# Altium PCB DesignProject_V1_1.PcbDoc (part 2 of 2)
Units mm, origin at the board's own origin, x right, y up, seen from the top; angles counter-clockwise.
Board outline 86.3 x 50.27 mm, 4 copper layers (Top Layer, MID 1, MID 2, Bottom Layer), stack 0.651 mm thick; 110 components, 93 nets, 452 pads, 167 vias.
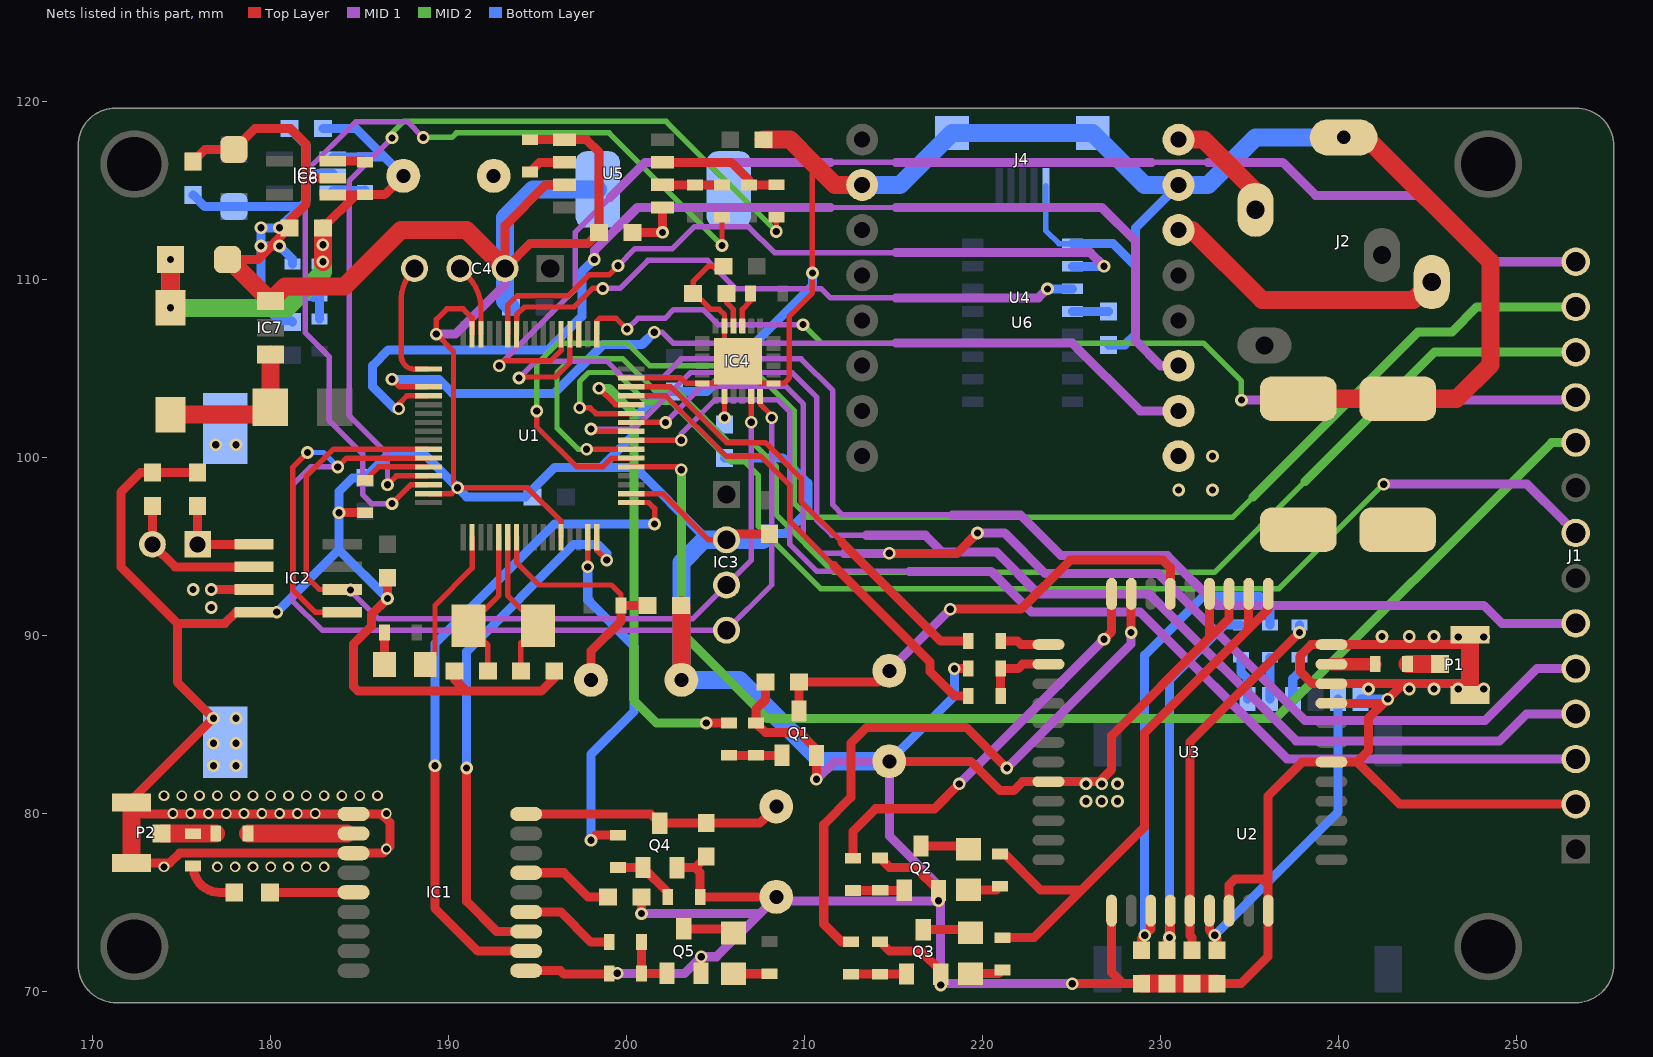
[diagram p4: the nets of this part, all layers, seen from the top]

## Via types
v1: diameter 0.711, hole 0.406, Top Layer to Bottom Layer, 133 vias
v2: diameter 0.6, hole 0.4, Top Layer to Bottom Layer, 32 vias
v3: diameter 1.3, hole 1.3, Top Layer to Bottom Layer, 1 vias
v4: diameter 1.5, hole 1.5, Top Layer to Bottom Layer, 1 vias

## Nets (pads, with @x,y where several pads share a name; then routed paths per layer and width w, separated by ;. In a path a pad name is that pad's centre, name@x,y a point inside that pad or via, vN(x,y) a via of type N, cw(c..) or ccw(c..) an arc to the next point about the centre after c; other vN are vias at no path point) (continued)
GND: BT1.2 C1.1 C2.1 C3.1 C4.2 C5.1 C6.1 C7.1 C8.1 C9.1 C10.2 C11.2 C12.2 C13.2 C14.2 C15.2 C16.2 C17.1 C18.1 C19.1 C20.2 C21.1 C22.1 C23.1 C24.1 C25.1 C26.2 C27.2 C28.2 C29.2 C30.1 C31.2 C32.2 C33.2 C34.1 C35.2 C36.2 IC1.1 IC1.10 IC1.12 IC2.4 IC3.2 IC4.1 IC4.11 IC4.18 IC4.25 IC5.2 IC6.2 IC7.1 J1.2 J2.5 J3.2 J4.5 P1.2 P1.3 P2.2 P2.3 Q1.2 Q2.2 Q3.2 Q4.2 Q5.2 R2.1 R5.2 R11.2 R14.1 R19.2 R20.2 R22.2 R25.2 R32.1 SW1.2 SW2.2 SW3.2 U1.12 U1.18 U1.31 U1.47 U1.63 U2.5 U3.8 U3.13 U3.19 U3.21 U3.27 U3.30 U3.31 U3.33 U3.36 U3.37 U4.7 U4.10 U5.1 U5.3 U6.1 | length 633.9
  Top Layer w0.305: U1.63@188.864,97.969 190.171,97.969 v1(190.5,98.298) ; U1.47@191.314,106.919 191.314,107.849 190.807,108.356 189.902,108.356 189.306,107.761 v1(189.306,106.934) 190.271,105.969 190.271,98.527 v1(190.5,98.298) ; U1.12@196.314,95.519 196.314,96.421 194.437,98.298 v1(190.5,98.298) ; U1.18@200.264,97.969 202.005,97.969 204.597,95.377 IC3.2@205.613,95.377 ; U1.31@200.264,104.469 203.03,104.469 203.327,104.172 204.236,104.172 IC4.18@204.248,104.16 204.248,104.172 205.01,104.172 IC4.25@206.248,105.41 ; C23.1@205.435,110.744 204.584,110.744 203.733,109.893 C25.1@203.733,109.22 203.835,109.22 204.728,108.327 205.199,108.327 205.498,108.028 IC4.11@205.498,107.385 205.498,106.16 IC4.25@206.248,105.41 ; 210.439,116.586 v1(210.439,110.363) 210.439,109.245 209.144,107.95 209.144,104.47 208.833,104.16 IC4.1@208.248,104.16 208.248,104.172 207.486,104.172 IC4.25@206.248,105.41
  Top Layer w0.508: P2.2@172.175,77.219 174.331,77.219 174.879,77.767 IC1.12@184.658,77.767 186.311,77.767 186.69,78.146 186.69,79.502 186.225,79.967 IC1.10@184.658,79.967 180.5,79.967 172.81,79.967 172.175,80.602 P2.3@172.17,80.607 172.17,80.73 v1(176.784,85.344) 174.752,87.376 174.752,90.678 ; C32.2@175.641,116.637 176.301,117.297 C31.2@177.927,117.297 179.121,118.491 181.102,118.491 181.991,117.602 181.991,116.205 ; C21.1@175.895,99.162 C22.1@173.355,99.162 172.695,99.162 171.577,98.044 171.577,93.853 174.752,90.678 ; C35.2@177.571,111.125 177.65,111.125 179.273,111.125 C28.2@181.051,112.903 181.051,113.298 181.991,114.238 181.991,116.205 ; v1(180.34,91.313) IC2.4@179.07,91.313 178.054,91.313 177.419,90.678 174.752,90.678 ; IC6.2@183.491,115.697 182.499,115.697 181.991,116.205 ; v1(183.834,96.901) R2.1@185.293,96.901 ; C36.2@186.563,93.243 v1(186.563,92.075) 185.674,91.186 185.674,90.545 184.658,89.529 184.658,87.122 184.912,86.868 191.008,86.868 ; C1.1@190.327,88.011 190.327,87.549 191.008,86.868 ; IC1.1@194.358,71.167 196.274,71.167 196.469,70.972 198.976,70.972 R25.2@199.022,71.018 v1(199.476,71.018) ; R32.1@194.564,117.856 U5.1@196.513,117.856 197.739,117.856 198.45,117.145 C30.1@198.45,112.649 197.815,112.014 194.564,112.014 C4.2@193.167,110.617 193.167,113.03 195.453,115.316 U5.3@196.513,115.316 ; C2.1@195.936,88.011 195.936,87.605 195.199,86.868 191.008,86.868 ; v1(200.838,74.371) C19.1@200.838,75.311 ; Q4.2@202.839,76.957 203.85,76.957 ; Q5.2@204.185,71.013 v1(204.185,71.946) ; C18.1@204.47,77.577 203.85,76.957 ; IC3.2@205.613,95.377 205.943,95.707 C20.2@208.026,95.707 ; C17.1@207.803,87.376 207.803,86.391 207.264,85.852 R11.2@207.264,85.077 207.805,84.536 209.723,84.536 210.662,83.597 Q1.2@210.662,83.256 v1(210.662,81.915) ; SW3.2@208.407,75.311 R22.2@204.127,75.311 204.127,76.679 203.85,76.957 ; R20.2@214.249,72.788 214.774,72.263 216.535,72.263 217.647,71.151 Q3.2@217.647,70.972 v1(217.647,70.358) ; R19.2@214.249,77.492 214.779,76.962 216.229,76.962 Q2.2@217.52,75.671 v1(217.52,75.088) ; SW2.2@214.757,82.931 219.329,82.931 220.98,81.28 221.742,81.28 222.251,81.789 U3.8@223.698,81.789 226.569,81.789 227.248,82.468 227.248,84.373 232.748,89.873 ; v1(218.415,88.135) R14.1@219.202,88.135 ; v1(225.044,70.434) 227.889,70.434 ; U3.13@227.248,74.539 227.248,71.075 227.889,70.434 ; C12.2@228.94,70.434 227.889,70.434 ; U3.37@232.748,92.339 232.748,89.873 ; C11.2@233.172,70.434 234.518,70.434 236.048,71.964 U3.21@236.048,74.539 236.048,75.991 ; U3.19@233.848,74.539 233.848,75.987 234.188,76.327 235.712,76.327 236.048,75.991 ; U3.36@233.848,92.339 233.848,90.973 232.748,89.873 ; U3.30@239.598,86.189 v1@242.526,86.189 ; P1.3@247.389,86.65 247.389,86.875 246.975,87.289 243.626,87.289 ; P1.2@247.389,90.032 P1.2@247.384,90.037 246.836,89.489 246.721,89.489 U3.33@239.598,89.489 238.46,89.489 237.871,88.9 237.871,87.947 238.53,87.289 U3.31@239.598,87.289 243.626,87.289 ; J1.2@253.332,80.518 243.431,80.518 241.06,82.889 ; 236.048,75.991 236.048,80.981 237.956,82.889 U3.27@239.598,82.889 241.06,82.889 ; 241.06,82.889 241.681,83.51 241.681,85.344 v1@242.526,86.189 ; v1@242.526,86.189 v1(242.762,86.425) 243.626,87.289
  Top Layer w1.016: P2.2@172.175,77.219 P2.3@172.175,80.602 ; C35.2@177.65,111.125 IC7.1@179.984,108.791 180.794,109.601 184.15,109.601 187.325,112.776 191.008,112.776 C4.2@193.167,110.617 ; C3.1@203.048,91.694 203.073,91.669 SW1.2@203.073,87.503 ; C29.2@207.696,117.856 209.169,117.856 210.439,116.586 211.709,115.316 U4.10@213.233,115.316 ; C12.2@228.94,70.434 C13.2@230.351,70.434 C14.2@231.761,70.434 C11.2@233.172,70.434 ; C15.2@237.744,103.302 C16.2@243.332,103.302 246.634,103.302 248.539,105.207 248.539,110.998 241.554,117.983 J2.5@240.284,117.983 ; P1.3@247.389,86.875 P1.2@247.389,90.032
  MID 1 w0.508: v1(189.306,106.934) 190.373,106.934 193.167,109.728 C4.2@193.167,110.617 ; v1(199.476,71.018) 203.257,71.018 v1(204.185,71.946) 205.042,71.946 207.467,74.371 ; v1(200.838,74.371) 207.467,74.371 ; v1(210.662,81.915) 210.693,81.915 211.709,82.931 SW2.2@214.757,82.931 214.757,78.74 217.52,75.977 v1(217.52,75.088) ; v1(225.044,70.434) 217.724,70.434 v1(217.647,70.358) 217.647,74.961 v1(217.52,75.088) ; 207.467,74.371 SW3.2@208.407,75.311 208.63,75.088 v1(217.52,75.088)
  Bottom Layer w0.305: J4.5@223.558,115.269 223.558,112.738 224.282,112.014 U6.1@225.053,112.014
  Bottom Layer w0.508: C27.2@175.641,114.757 176.301,114.097 C26.2@177.927,114.097 181.685,114.097 ; v1(180.34,91.313) 183.834,94.807 ; C33.2@181.051,118.491 181.991,117.551 181.991,116.332 ; C10.2@181.229,107.62 181.153,107.696 180.491,107.696 179.451,108.736 v1(179.451,111.887) ; R5.2@181.229,110.871 181.229,111.149 v1(180.491,111.887) v1(179.451,111.887) ; IC5.2@183.491,115.945 182.378,115.945 181.991,116.332 ; v1(186.563,92.075) 186.563,92.079 183.834,94.807 ; 204.343,95.377 204.343,95.58 200.482,99.441 198.577,99.441 ; C24.1@205.498,99.974 208.763,99.974 210.185,98.552 210.185,96.977 208.94,95.733 C8.1@208.026,95.733 ; v1(210.439,110.363) 210.439,109.652 209.506,108.719 204.495,103.708 C9.1@202.692,103.708 201.93,103.708 200.431,102.21 200.431,101.295 198.577,99.441 ; SW2.2@214.757,82.931 218.415,86.589 v1(218.415,88.135) ; U6.1@225.053,112.014 227.33,112.014 228.6,110.744 ; C34.1@227.076,106.324 227.99,106.324 228.6,106.934 228.6,110.744 ; U4.7@231.013,115.316 228.6,112.903 228.6,110.744 ; U2.5@241.238,86.425 v1(242.762,86.425) ; v1(179.451,111.887) v1(179.451,112.903) v1(180.491,112.903) 181.685,114.097 ; 181.685,114.097 181.991,114.403 181.991,116.332 ; 183.834,94.807 v1(183.834,96.901) 183.834,98.084 184.607,98.857 C6.1@185.293,98.857 186.69,100.254 188.544,100.254 v1(190.5,98.298) 191.008,97.79 194.31,97.79 195.961,99.441 198.577,99.441
  Bottom Layer w1.016: C7.1@193.497,108.458 193.167,108.788 C4.2@193.167,110.617 193.167,113.487 194.742,115.062 J3.2@198.374,115.062 ; C8.1@208.026,95.733 207.67,95.377 IC3.2@205.613,95.377 204.343,95.377 203.073,94.107 SW1.2@203.073,87.503 206.35,87.503 210.922,82.931 SW2.2@214.757,82.931 ; U4.10@213.233,115.316 215.366,115.316 J4.5@218.287,118.237 J4.5@226.187,118.237 229.108,115.316 U4.7@231.013,115.316 232.664,115.316 235.331,117.983 J2.5@240.284,117.983
  other v1: 225.806,80.689 226.695,80.689 227.584,80.689 225.806,81.661 226.695,81.661 227.584,81.661 176.784,82.677 178.054,82.677 176.784,83.94 178.054,83.947 178.054,85.344 241.681,86.995 243.967,86.995 245.364,86.995 246.721,86.995 248.158,86.995 246.721,89.916 248.158,89.916 242.443,89.945 243.967,89.945 245.364,89.945
  other v2: 174,77 177,77 178,77 179,77 180,77 181,77 182,77 183,77 186.5,78 174.5,80 175.5,80 176.5,80 177.5,80 178.5,80 179.5,80 180.5,80 181.5,80 182.5,80 186.5,80 174,81 175,81 176,81 177,81 178,81 179,81 180,81 181,81 182,81 183,81 184,81 185,81 186,81
GPS_RX1: IC1.3 U1.16 | length 30.6
  Top Layer w0.305: U1.16@198.314,95.519 198.314,94.802 v1(198.882,94.234)
  Top Layer w0.508: v1(191.008,82.55) 191.008,75.057 192.698,73.367 IC1.3@194.358,73.367
  Bottom Layer w0.508: v1(191.008,82.55) 191.008,89.092 197.039,95.123 198.374,95.123 198.882,94.615 v1(198.882,94.234)
GPS_TX1: IC1.2 U1.17 | length 38.4
  Top Layer w0.305: U1.17@200.264,97.469 201.235,97.469 201.568,97.136 v1(201.568,96.266)
  Top Layer w0.508: v1(189.23,82.677) 189.23,74.676 191.639,72.267 IC1.2@194.358,72.267
  Bottom Layer w0.508: v1(189.23,82.677) 189.23,89.535 195.961,96.266 v1(201.568,96.266)
LED: LED1.2 U1.2 | length 8.2
  Top Layer w0.305: LED1.2@188.681,88.369 189.23,88.918 189.23,91.694 191.314,93.778 U1.2@191.314,95.519
MISO1: J1.13 U1.22 | length 80.8
  Top Layer w0.305: v1(194.945,102.616) 194.945,101.727 197.203,99.469 198.656,99.469 199.156,99.969 U1.22@200.264,99.969
  MID 2 w0.305: v1(194.945,102.616) 194.945,105.232 196.139,106.426 200.025,106.426 201.295,105.156 206.883,105.156 209.423,102.616 209.423,97.409 210.185,96.647 234.061,96.647 235.204,97.79
  MID 2 w0.508: 235.204,97.79 244.475,107.061 246.38,107.061 247.777,108.458 J1.13@253.332,108.458
MISO2: U1.35
MOSI1: J1.12 U1.23 | length 77
  Top Layer w0.305: v1(197.751,100.469) U1.23@200.264,100.469
  MID 2 w0.305: v1(197.751,100.469) 197.27,100.469 196.088,101.651 196.088,104.775 196.85,105.537 199.796,105.537 201.524,103.81 202.768,103.81 205.715,100.863 207.035,100.863 208.407,99.492 208.407,96.774 211.633,93.548 233.017,93.548 238.125,98.656
  MID 2 w0.508: 238.125,98.656 245.387,105.918 J1.12@253.332,105.918
MOSI2: J1.6 U1.36 | length 75.3
  Top Layer w0.305: v1(193.954,104.47) 194.005,104.521 196.012,104.521 196.814,105.323 U1.36@196.814,106.919
  MID 1 w0.305: v1(193.954,104.47) 194.894,105.41 198.882,105.41 199.771,104.521 202.057,104.521 203.073,105.537 209.804,105.537 211.582,103.759 211.582,97.333 212.141,96.774 218.313,96.774
  MID 1 w0.508: 218.313,96.774 222.123,96.774 224.409,94.488 230.378,94.488 233.172,91.694 248.158,91.694 249.174,90.678 J1.6@253.332,90.678
MP3_RX: U1.51 U4.2 | length 50
  Top Layer w0.305: v1(186.817,104.394) 187.242,103.969 U1.51@188.864,103.969
  MID 1 w0.305: v1(201.549,107.036) 202.006,107.036 202.616,106.426 211.455,106.426 215.138,106.426
  MID 1 w0.508: 215.138,106.426 225.044,106.426 228.854,102.616 U4.2@231.013,102.616
  Bottom Layer w0.508: v1(186.817,104.394) 189.433,104.394 190.221,103.607 195.936,103.607 198.679,106.35 200.863,106.35 v1(201.549,107.036)
MP3_TX: U1.52 U4.3 | length 63
  Top Layer w0.305: v1(187.198,102.743) 187.198,103.017 187.65,103.469 U1.52@188.864,103.469
  MID 1 w0.305: 211.455,114.046 215.138,114.046
  MID 1 w0.508: v1(198.183,111.125) 198.183,111.62 200.609,114.046 211.455,114.046 ; 215.138,114.046 226.695,114.046 228.6,112.141 228.6,106.553 229.997,105.156 U4.3@231.013,105.156
  Bottom Layer w0.508: v1(187.198,102.743) 186.969,102.743 185.725,103.988 185.725,105.156 186.614,106.045 195.605,106.045 197.485,107.925 197.485,110.426 v1(198.183,111.125)
MPU_ADDR: IC4.9 R26.1 | length 2
  Top Layer w0.305: IC4.9@206.498,107.385 206.498,108.327 206.959,108.788 R26.1@206.959,109.22
NetBT1_1: BT1.1 IC2.3 | length 2.4
  Top Layer w0.508: v1(176.657,92.583) IC2.3@179.07,92.583
  other v1: 176.657,91.567 175.641,92.583 176.911,100.711 178.054,100.711
NetC19_2: C19.2 IC1.6 | length 5.2
  Top Layer w0.508: IC1.6@194.358,76.667 196.469,76.667 197.825,75.311 C19.2@198.958,75.311
NetC21_2: C21.2 IC2.1 Y2.1 | length 5.3
  Top Layer w0.508: C21.2@175.895,97.282 Y2.1@175.895,95.123 IC2.1@179.07,95.123
NetC22_2: C22.2 IC2.2 Y2.2 | length 8.4
  Top Layer w0.508: C22.2@173.355,97.282 Y2.2@173.355,95.123 174.625,93.853 IC2.2@179.07,93.853
NetC24_2: C24.2 IC4.20 | length 1.2
  Top Layer w0.305: v1(205.498,102.235) IC4.20@205.498,103.435
NetC25_2: C25.2 IC4.10 | length 2
  Top Layer w0.305: C25.2@205.613,109.22 205.613,108.712 205.998,108.327 IC4.10@205.998,107.385
NetC34_2: C34.2 U6.4 | length 2
  Bottom Layer w0.508: U6.4@225.053,108.204 C34.2@227.076,108.204
NetD1_1: D1.1 IC7.3 L2.2 | length 8.8
  Top Layer w1.016: L2.2@174.371,102.41 179.575,102.41 D1.1@179.984,102.819 IC7.3@179.984,105.791
NetFB1_1: FB1.1 P1.1 | length 1.8
  Top Layer w1.016: FB1.1@243.878,88.389 P1.1@245.696,88.389
NetFB1_2: FB1.2 U3.32 | length 2.5
  Top Layer w0.7: U3.32@239.598,88.389 FB1.2@242.062,88.389
NetFB2_1: FB2.1 FB3.1 P2.1 | length 3
  Top Layer w1.016: P2.1@173.863,78.867 FB2.1@176.911,78.867
NetFB2_2: FB2.2 IC1.11 | length 5.9
  Top Layer w0.508: IC1.11@184.277,78.867 IC1.11@184.658,78.867
  Top Layer w1.016: FB2.2@178.727,78.867 IC1.11@184.277,78.867
NetFB3_2: FB3.2 L1.1 | length 3.2
  Top Layer w0.508: FB3.2@175.641,77.051 ccw(c177.127,77.051) 177.127,75.565 L1.1@177.952,75.565
NetIC5_3: IC5.3 R27.1 | length 1.8
  Bottom Layer w0.508: IC5.3@183.491,114.995 185.264,114.995 R27.1@185.293,115.024
NetIC6_3: IC6.3 R33.1 | length 1.8
  Top Layer w0.508: IC6.3@183.491,116.647 185.232,116.647 R33.1@185.293,116.586
NetJ1_3: J1.3 U1.24 | length 67
  Top Layer w0.305: U1.24@200.264,100.969 200.268,100.965 v1(203.073,100.965)
  MID 1 w0.305: v1(203.073,100.965) 203.073,101.346 204.978,103.251 208.483,103.251 209.169,102.565 209.169,95.123 210.693,93.599 215.9,93.599
  MID 1 w0.508: 215.9,93.599 220.472,93.599 222.758,91.313 228.854,91.313 237.109,83.058 J1.3@253.332,83.058
NetJ1_4: J1.4 U1.25 | length 72.2
  Top Layer w0.305: v1(197.993,101.6) 198.124,101.469 U1.25@200.264,101.469
  MID 1 w0.305: v1(197.993,101.6) 200.406,101.6 203.581,104.775 209.296,104.775 210.693,103.378 210.693,96.469 211.531,95.631 213.487,95.631
  MID 1 w0.508: 213.487,95.631 216.789,95.631 217.742,94.678 220.79,94.678 223.139,92.329 229.362,92.329 237.617,84.074 249.047,84.074 250.571,85.598 J1.4@253.332,85.598
NetJ1_5: J1.5 U1.26 | length 68.2
  Top Layer w0.305: U1.26@200.264,101.969 v1(202.189,101.969)
  Top Layer w0.508: v1(214.757,94.615) 218.567,94.615 v1(219.71,95.758)
  MID 1 w0.305: v1(202.189,101.969) 204.233,104.013 208.915,104.013 209.931,102.997 209.931,95.631 210.947,94.615 212.217,94.615
  MID 1 w0.508: 212.217,94.615 v1(214.757,94.615) ; v1(219.71,95.758) 221.234,95.758 223.52,93.472 229.87,93.472 238.125,85.217 248.22,85.217 251.141,88.138 J1.5@253.332,88.138
NetJ1_8: J1.8 U1.27 | length 71
  Top Layer w0.305: v1(197.358,102.792) 197.944,102.792 198.267,102.469 U1.27@200.264,102.469
  MID 1 w0.508: v1(242.545,98.501) 250.589,98.501 252.672,96.418 J1.8@253.332,95.758
  MID 2 w0.305: v1(197.358,102.792) 197.358,104.267 197.866,104.775 199.441,104.775 201.117,103.099 202.514,103.099 205.867,99.746 206.654,99.746 207.391,99.009 207.391,96.139 210.896,92.634 236.652,92.634 242.519,98.501 v1(242.545,98.501)
NetJ1_11: J1.11 U1.33 | length 59.3
  Top Layer w0.305: U1.33@198.314,106.919 198.314,107.655 198.482,107.823 199.415,107.823 v1(200.025,107.213)
  MID 1 w0.305: v1(200.025,107.213) 200.635,107.823 202.159,107.823 202.641,108.306 204.292,108.306 205.13,107.467 v1(209.906,107.467)
  MID 1 w0.508: v1(234.544,103.226) 253.18,103.226 J1.11@253.332,103.378
  MID 2 w0.305: v1(209.906,107.467) 210.947,106.426 232.41,106.426 234.544,104.292 v1(234.544,103.226)
NetJ1_14: J1.14 U1.37 | length 74.2
  Top Layer w0.305: v1(192.837,105.16) 193.112,105.435 195.729,105.435 196.314,106.021 U1.37@196.314,106.919
  MID 1 w0.305: v1(192.837,105.16) 197.104,109.427 197.104,112.649 199.072,114.617 ; 211.455,116.586 215.138,116.586 ; 229.489,116.586 232.664,116.586
  MID 1 w0.508: 199.072,114.617 201.041,116.586 211.455,116.586 ; 215.138,116.586 229.489,116.586 ; 232.664,116.586 236.855,116.586 238.709,114.732 244.805,114.732 248.539,110.998 J1.14@253.332,110.998
NetLED1_1: LED1.1 R6.2 | length 1.8
  Top Layer w0.508: LED1.1@186.395,88.369 R6.2@186.395,90.17
NetLED2_1: LED2.1 R15.1 | length 1.9
  Top Layer w0.508: LED2.1@219.202,75.702 220.777,75.702 R15.1@220.98,75.905
NetLED2_2: LED2.2 Q2.3 | length 2.7
  Top Layer w0.508: Q2.3@216.54,78.171 219.019,78.171 LED2.2@219.202,77.988
NetLED3_1: LED3.1 R16.1 | length 1.9
  Top Layer w0.508: LED3.1@219.329,71.003 220.904,71.003 R16.1@221.107,71.206
NetLED3_2: LED3.2 Q3.3 | length 2.7
  Top Layer w0.508: Q3.3@216.667,73.472 219.146,73.472 LED3.2@219.329,73.289
NetLED4_1: LED4.1 R23.1 | length 2
  Top Layer w0.508: LED4.1@205.994,70.993 R23.1@208.026,70.993
NetLED4_2: LED4.2 Q5.3 | length 2.9
  Top Layer w0.508: Q5.3@203.205,73.513 205.76,73.513 LED4.2@205.994,73.279
NetQ1_1: Q1.1 R10.2 R11.1 | length 3
  Top Layer w0.508: R10.2@205.74,83.261 R11.1@207.264,83.261 Q1.1@208.737,83.261
NetQ2_1: Q2.1 R17.2 R19.1 | length 2.9
  Top Layer w0.508: R17.2@212.725,75.671 212.73,75.676 R19.1@214.249,75.676 Q2.1@215.595,75.676
NetQ3_1: Q3.1 R18.2 R20.1 | length 3.1
  Top Layer w0.508: R18.2@212.598,70.972 212.603,70.977 Q3.1@215.722,70.977
NetQ4_1: Q4.1 R21.2 R22.1 | length 3.6
  Top Layer w0.508: R21.2@199.517,76.962 Q4.1@200.914,76.962 202.311,75.565 R22.1@202.311,75.311
NetQ5_1: Q5.1 R24.2 R25.1 | length 3.2
  Top Layer w0.508: R24.2@200.838,72.771 R25.1@200.838,71.018 Q5.1@202.26,71.018
NetR2_2: R2.2 U1.60 | length 3.9
  Top Layer w0.305: R2.2@185.293,98.717 186.045,99.469 U1.60@188.864,99.469
NetR3_2: R3.2 R4.2 R5.1 | length 2.8
  Bottom Layer w0.508: R5.1@181.229,109.055 R3.2@182.753,109.055 R4.2@182.753,107.785
NetR7_1: R7.1 U2.7 | length 2.3
  Bottom Layer w0.508: U2.7@236.158,86.425 R7.1@236.158,88.773
NetR8_1: R8.1 U2.3 | length 2.5
  Bottom Layer w0.508: R8.1@234.507,88.773 234.507,87.946 234.888,87.565 U2.3@234.888,86.425
NetR9_1: R9.1 U2.2 | length 2.5
  Bottom Layer w0.508: U2.2@237.428,86.425 237.428,87.568 237.809,87.949 R9.1@237.809,88.773
NetR10_1: R10.1 U1.28 | length 26.7
  Top Layer w0.305: v1(198.45,103.886) 199.367,102.969 U1.28@200.264,102.969
  Top Layer w0.508: v1(204.47,85.077) R10.1@205.74,85.077
  MID 2 w0.508: v1(198.45,103.886) 199.009,103.886 200.406,102.489 200.406,86.36 201.689,85.077 v1(204.47,85.077)
NetR21_1: R21.1 U1.15 | length 20.7
  Top Layer w0.305: v1(197.814,93.853) U1.15@197.814,95.519
  Top Layer w0.508: v1(197.993,78.489) 198.282,78.778 R21.1@199.517,78.778
  Bottom Layer w0.508: v1(197.814,93.853) 197.814,92 200.406,89.408 200.406,85.725 197.993,83.312 v1(197.993,78.489)
NetR28_2: R28.2 R30.1 U5.6 | length 3.3
  Top Layer w0.508: U5.6@202.013,115.316 R28.2@203.835,115.316 R30.1@205.359,115.316
NetR29_2: R29.2 R31.1 U5.7 | length 7.1
  Top Layer w0.508: U5.7@202.013,116.586 205.867,116.586 206.883,115.57 R29.2@206.883,115.316 R31.1@208.407,115.316
NetR30_2: R30.2 U1.62 | length 53.1
  Top Layer w0.305: v1(186.817,97.409) 187.877,98.469 U1.62@188.864,98.469 ; v1(205.359,111.912) R30.2@205.359,113.5
  MID 1 w0.305: v1(186.817,97.409) 185.674,97.409 185.166,97.917 185.166,100.203 183.286,102.083 183.286,105.664 181.94,107.01 181.94,116.027 184.785,118.872 187.681,118.872 v1(188.57,117.983)
  MID 2 w0.305: v1(188.57,117.983) 190.181,117.983 190.435,118.237 199.022,118.237 v1@205.353,111.906
NetR31_2: R31.2 U1.61 | length 49.4
  Top Layer w0.305: v1(186.563,98.469) 187.063,98.969 U1.61@188.864,98.969 ; v1(208.407,112.7) R31.2@208.407,113.5
  MID 1 w0.305: v1(186.563,98.469) 186.563,100.203 184.404,102.362 184.404,115.545 v1(186.817,117.958)
  MID 2 w0.305: v1(186.817,117.958) 186.817,118.237 187.472,118.892 202.214,118.892 v1(208.407,112.7)
NetR32_2: R32.2 U5.2 | length 2.2
  Top Layer w0.508: R32.2@194.564,116.04 195.11,116.586 U5.2@196.513,116.586
NL: R18.1 U3.41 | length 35.5
  Top Layer w0.508: R18.1@212.598,72.788 212.073,72.788 211.074,73.787 211.074,79.375 212.598,80.899 212.598,83.947 213.487,84.836 219.078,84.836 v1(221.364,82.55) ; v1(228.346,90.17) 228.348,90.172 U3.41@228.348,92.339
  MID 1 w0.508: v1(221.364,82.55) 228.346,89.532 v1(228.346,90.17)
nRTS: C3.2 R1.2 SW1.1 U1.7 | length 15
  Top Layer w0.305: U1.7@193.814,95.519 193.814,94.095 195.072,92.837 199.146,92.837 199.682,92.301 R1.2@199.682,91.694
  Top Layer w0.508: SW1.1@197.993,87.503 197.993,89.116 199.682,90.805 R1.2@199.682,91.694 C3.2@201.168,91.694
PPS: IC1.4 R24.1 | length 5.4
  Top Layer w0.508: IC1.4@194.358,74.467 196.297,74.467 197.993,72.771 R24.1@199.022,72.771
PWRK: C17.2 Q1.3 SW2.1 U3.39 | length 27
  Top Layer w0.508: Q1.3@209.682,85.756 C17.2@209.682,87.376 214.122,87.376 SW2.1@214.757,88.011 ; v1(218.186,91.476) 222.159,91.476 224.917,94.234 230.124,94.234 230.548,93.81 U3.39@230.548,92.339
  MID 1 w0.508: SW2.1@214.757,88.011 214.757,88.047 v1(218.186,91.476)
RST: C18.2 IC1.9 Q4.3 SW3.1 | length 14.6
  Top Layer w0.508: IC1.9@194.358,79.967 201.349,79.967 Q4.3@201.859,79.457 C18.2@204.47,79.457 207.473,79.457 SW3.1@208.407,80.391
RX1: U1.43 U6.2 | length 39.6
  Top Layer w0.305: U1.43@193.314,106.919 193.314,108.554 193.853,109.093 196.723,109.093 197.891,110.261 199.009,110.261 v1(199.517,110.769)
  MID 1 w0.305: v1(199.517,110.769) 200.482,111.735 202.565,111.735 203.784,112.954 206.858,112.954 208.305,111.506 215.138,111.506
  MID 1 w0.508: 215.138,111.506 226.06,111.506 v1(226.822,110.744)
  Bottom Layer w0.508: U6.2@225.053,110.744 v1(226.822,110.744)
RX3: R12.1 U1.30 | length 25.6
  Top Layer w0.305: U1.30@200.264,103.969 202.482,103.969 205.613,100.838 207.8,100.838 209.804,98.834 209.804,97.536 212.09,95.25
  Top Layer w0.508: 212.09,95.25 217.655,89.685 R12.1@219.202,89.685
SCK1: J1.10 U1.21 | length 70.7
  Top Layer w0.305: U1.21@200.264,99.469 202.918,99.469 v1(203.073,99.314)
  MID 2 w0.508: v1(203.073,99.314) 203.073,90.17 207.899,85.344 236.474,85.344 251.968,100.838 J1.10@253.332,100.838
SCL: IC2.6 IC3.3 IC4.23 U1.58 | length 49.7
  Top Layer w0.305: v1(184.48,92.558) 184.045,92.558 IC2.6@184.02,92.583 182.734,92.583 181.991,93.326 181.991,98.933 183.527,100.469 U1.58@188.864,100.469 ; v1(206.998,101.981) IC4.23@206.998,103.435
  MID 1 w0.305: v1(184.48,92.558) 184.48,92.507 186.055,90.932 203.708,90.932 IC3.3@205.613,92.837 206.998,94.222 v1(206.998,101.981)
SDA: IC2.5 IC3.4 IC4.24 U1.59 | length 67.7
  Top Layer w0.305: v1(182.067,100.279) 181.229,99.441 181.229,92.583 182.499,91.313 IC2.5@184.02,91.313 ; v1(183.769,99.469) 184.269,99.969 U1.59@188.864,99.969 ; IC4.24@207.498,103.435 207.498,103.017 208.153,102.362 v1(208.153,102.235)
  MID 1 w0.305: v1(183.769,99.469) 182.248,99.469 181.229,98.45 181.229,91.948 182.88,90.297 IC3.4@205.613,90.297 208.153,92.837 v1(208.153,102.235)
  Bottom Layer w0.305: v1(182.067,100.279) 182.959,100.279 v1(183.769,99.469)
SIM_CLK: C13.1 R8.2 U3.16 | length 22.1
  Top Layer w0.508: C13.1@230.351,72.314 230.351,72.871 v1(230.505,73.025) 230.548,73.068 U3.16@230.548,74.539
  Bottom Layer w0.508: v1(230.505,73.025) 230.505,87.503 233.591,90.589 R8.2@234.507,90.589
SIM_DATA: C12.1 R7.2 U3.15 | length 27.9
  Top Layer w0.508: C12.1@228.94,72.314 228.94,72.984 v1(229.108,73.152) 229.448,73.492 U3.15@229.448,74.539
  Bottom Layer w0.508: v1(229.108,73.152) 229.108,88.9 232.41,92.202 235.585,92.202 236.158,91.629 R7.2@236.158,90.589
SIM_RST: C14.1 R9.2 U3.17 | length 20.9
  Top Layer w0.508: C14.1@231.761,72.314 231.761,73.025 231.648,73.138 U3.17@231.648,74.539 231.648,84.009 v1(237.809,90.17)
  Bottom Layer w0.508: v1(237.809,90.17) R9.2@237.809,90.589
SIM_RX: R13.2 R14.2 U3.2 | length 4.3
  Top Layer w0.508: R13.2@221.018,86.611 R14.2@221.018,88.135 221.993,88.135 222.247,88.389 U3.2@223.698,88.389
SIM_TX: R12.2 U3.1 | length 2.8
  Top Layer w0.508: R12.2@221.018,89.685 221.973,89.685 222.169,89.489 U3.1@223.698,89.489
SIM_VDD: C11.1 U2.1 U3.18 | length 18.5
  Top Layer w0.508: U3.18@232.748,74.539 232.748,73.449 v1(233.045,73.152) 233.172,73.025 C11.1@233.172,72.314
  Bottom Layer w0.508: v1(233.045,73.152) 239.968,80.075 U2.1@239.968,86.425
SPK_L: J2.1 U4.8 | length 6.5
  Top Layer w1.016: U4.8@231.013,117.856 232.41,117.856 235.331,114.935 J2.1@235.331,113.919
SPK_R: J2.4 U4.6 | length 16.3
  Top Layer w1.016: U4.6@231.013,112.776 231.775,112.776 235.712,108.839 244.221,108.839 J2.4@245.237,109.855
STA: R17.1 U3.42 | length 22.8
  Top Layer w0.508: R17.1@212.725,77.487 212.725,78.994 213.995,80.264 217.297,80.264 v1(218.694,81.661) ; v1(226.822,89.789) 227.248,90.215 U3.42@227.248,92.339
  MID 1 w0.508: v1(218.694,81.661) v1(226.822,89.789)
SWCLK: C4.4 U1.49 | length 7.1
  Top Layer w0.305: C4.4@188.087,110.617 188.069,110.599 ccw(c189.865,108.803) 187.325,108.803 187.325,105.769 ccw(c188.192,105.769) 187.579,105.156 ccw(c188.03,105.607) 188.03,104.969 U1.49@188.864,104.969
SWDIO: C4.3 U1.46 | length 4.1
  Top Layer w0.305: C4.3@190.627,110.617 191.07,110.174 cw(c189.274,108.378) 191.814,108.378 U1.46@191.814,106.919
TX1: U1.42 U6.3 | length 34.7
  Top Layer w0.305: U1.42@193.814,106.919 193.814,108.022 194.25,108.458 197.052,108.458 198.093,109.499 v1(198.653,109.499)
  MID 1 w0.305: v1(198.653,109.499) 199.619,109.499 201.193,111.074 204.546,111.074 206.146,109.474 210.947,109.474 211.455,108.966 215.138,108.966
  MID 1 w0.508: 215.138,108.966 223.139,108.966 v1(223.647,109.474)
  Bottom Layer w0.508: v1(223.647,109.474) U6.3@225.053,109.474
TX3: R13.1 U1.29 | length 27.4
  Top Layer w0.305: U1.29@200.264,103.469 202.189,103.469 205.582,100.076 207.518,100.076 209.169,98.425 209.169,96.393 211.645,93.916
  Top Layer w0.508: 211.645,93.916 217.043,88.519 217.043,87.98 218.412,86.611 R13.1@219.202,86.611
VBAT: C15.1 C16.1 C30.2 J3.1 R15.2 R16.2 SW4.1 U3.34 U3.35 U4.1 U5.5 | length 37
  Top Layer w0.508: C30.2@200.33,112.649 v1(202.013,112.649) U5.5@202.013,114.046 ; R15.2@220.98,77.721 221.237,77.721 223.266,75.692 225.552,75.692 ; R16.2@221.107,73.022 222.882,73.022 225.552,75.692 ; U3.35@234.948,92.339 234.948,90.376 ; U3.34@236.048,92.339 236.048,91.476 234.948,90.376 ; 225.552,75.692 229.108,79.248 229.108,84.536 234.948,90.376
  other v1: 231.013,98.171 232.918,98.171 232.918,100.076
VCC_RF: IC1.14 L1.2 | length 4.7
  Top Layer w0.508: L1.2@179.959,75.565 179.961,75.567 IC1.14@184.658,75.567
VCCB: C28.1 C33.1 C35.1 IC5.1 IC6.1 L2.1 R3.1 R27.2 R33.2 SW4.2 | length 33.8
  Top Layer w0.508: C28.1@182.931,112.903 184.775,114.747 ; IC6.1@183.491,114.747 184.775,114.747 ; SW4.2@187.452,115.824 186.398,114.77 R33.2@185.293,114.77 185.27,114.747 184.775,114.747
  Top Layer w1.016: v1(174.371,108.41) v1(174.371,111.125) ; v1(182.931,110.998) v1(182.931,111.95) C28.1@182.931,112.903
  MID 2 w1.016: v1(174.371,111.125) v1(174.371,108.41) 180.927,108.41 182.931,110.414 v1(182.931,110.998) v1(182.931,111.95)
  Bottom Layer w0.508: C33.1@182.931,118.491 184.785,118.491 186.381,116.895 ; IC5.1@183.491,116.895 186.381,116.895 ; SW4.2@187.452,115.824 186.381,116.895
XI: C1.2 U1.5 Y1.2 | length 8.7
  Top Layer w0.305: C1.2@192.207,88.011 192.207,89.454 Y1.2@191.11,90.551 192.814,92.255 U1.5@192.814,95.519
XO: C2.2 U1.6 Y1.1 | length 8.6
  Top Layer w0.305: U1.6@193.314,95.519 193.314,92.258 Y1.1@195.021,90.551 194.056,89.586 C2.2@194.056,88.011
pads on no net: IC1.5 IC1.7 IC1.13 IC1.15 IC1.16 IC1.17 IC1.18 IC2.7 IC4.2 IC4.3 IC4.4 IC4.5 IC4.6 IC4.7 IC4.12 IC4.14 IC4.15 IC4.16 IC4.17 IC4.19 IC4.21 IC4.22 IC5.4 IC6.4 J1.9 J2.2 J2.3 J4.4 U1.1 U1.3 U1.4 U1.8 U1.9 U1.10 U1.11 U1.20 U1.38 U1.39 U1.40 U1.41 U1.44 U1.45 U1.50 U1.53 U1.54 U1.55 U1.56 U1.57 U2. U2.6 U3.3 U3.4 U3.5 U3.6 U3.7 U3.9 U3.10 U3.11 U3.12 U3.14 U3.20 U3.22 U3.23 U3.24 U3.25 U3.26 U3.28 U3.29 U3.38 U3.40 U4.9 U4.11 U4.12 U4.13 U4.14 U4.15 U4.16 U5.GND U6.7 U6.8 U6.9 U6.10 U6.11 U6.12 U6.13 U6.14 U6.15
copper on no net: | length 268.7
  Top Layer w0.305: 171.729,69.52 252.222,69.52 253.314,69.52 ccw(c253.314,71.526) 255.321,71.526 255.321,115.951 255.321,117.5 ccw(c253.34,117.5) 253.34,119.482 251.054,119.482 172.771,119.482 171.285,119.482 ccw(c171.285,117.526) 169.329,117.526 169.329,71.514 ccw(c171.323,71.514) 171.323,69.52 171.958,69.52
  other v3: 177.47,89.408
  other v4: 177.444,96.85

## Polygon pours and split planes (outlines as drawn)
GND on Top Layer "GND_L01_P038" (solid, remove dead copper, pour order 38): 169.367,119.482 169.342,119.456 169.342,69.52 255.372,69.52 255.372,119.507
VBAT on Top Layer "VBAT_L01_P000" (solid, remove dead copper, pour order 0): 234.696,91.141 234.696,93.853 234.696,97.536 229.489,97.536 229.489,101.219 246.38,101.219 246.38,91.141
GND on Top Layer "GND_L01_P032" (solid, remove dead copper, pour order 32): 249.047,90.551 249.047,86.106 237.363,86.106 237.363,90.551
GND on Top Layer "GND_L01_P030" (solid, remove dead copper, pour order 30): 170.434,76.494 170.434,81.661 187.325,81.661 187.325,76.494
5V on Top Layer "5V_L01_P040" (solid, remove dead copper, pour order 40): 201.362,118.948 206.553,118.948 206.553,117.272 201.371,117.272
VBAT on Top Layer "VBAT_L01_P004" (solid, remove dead copper, pour order 4): 201.041,114.453 202.839,114.453 202.839,111.455 199.682,111.455 199.682,113.538 201.041,113.538
GND on Top Layer "GND_L01_P024" (solid, remove dead copper, pour order 24): 232.41,94.361 234.188,94.361 234.188,90.678 227.965,84.455 227.965,80.162 225.196,80.162 225.196,82.296 225.552,82.296 226.314,83.058 226.314,85.186 232.41,91.282
3V3-2 on Top Layer "3V3-2_L01_P014" (solid, remove dead copper, pour order 14): 172.898,115.316 172.898,113.157 178.943,113.157 178.943,114.046 180.594,114.046 180.594,115.316
3V3-2 on Top Layer "3V3-2_L01_P012" (solid, remove dead copper, pour order 12): 175.006,115.316
VBAT on Top Layer "VBAT_L01_P002" (solid, remove dead copper, pour order 2): 234.696,93.599 234.696,90.17 236.347,90.17 236.347,93.599
GND on Bottom Layer "GND_L04_P028" (solid, remove dead copper, pour order 28): 169.342,119.482 169.342,69.444 255.448,69.444 255.448,119.482
3V3 on Bottom Layer "3V3_L04_P010" (solid, remove dead copper, pour order 10): 175.006,115.951 175.006,118.872 179.959,118.872 179.959,117.475 181.051,117.475 181.051,115.951
VBAT on Bottom Layer "VBAT_L04_P006" (solid, remove dead copper, pour order 6): 201.422,111.125 201.422,112.268 201.422,117.729 207.899,117.729 207.899,111.125
VBAT on MID 2 "VBAT_L03_P016" (solid, remove dead copper, pour order 16): 199.644,111.125 199.644,113.538 202.438,113.538 211.836,104.14 211.836,98.679 226.949,98.679 229.489,101.219 233.934,101.219 233.934,97.536 210.312,97.536 210.312,103.124 202.311,111.125
VBAT on MID 2 "VBAT_L03_P018" (solid, remove dead copper, pour order 18): 190.754,117.475 198.501,117.475 202.819,113.157 202.819,111.125 199.644,111.125 196.723,114.046 190.754,114.046
3V3 on MID 2 "3V3_L03_P022" (solid, remove dead copper, pour order 22): 174.244,115.951 174.244,118.872 179.959,118.872 179.959,115.951
3V3-2 on MID 2 "3V3-2_L03_P020" (solid, remove dead copper, pour order 20): 173.279,115.316 173.279,113.157 178.562,113.157 178.562,115.316
NetBT1_1 on MID 2 "NETBT1_1_L03_P008" (solid, remove dead copper, pour order 8): 176.149,103.632 178.689,103.632 178.689,100.076 181.229,100.076 181.229,95.123 177.165,91.059 175.133,91.059 175.133,93.091 177.165,93.091 179.07,94.996 179.07,98.298 176.149,98.298
GND on MID 1 "GND_L02_P026" (solid, remove dead copper, pour order 26): 170.002,70.18 170.002,88.9 219.71,88.9 219.71,72.39 226.06,72.39 226.06,70.18
GND on MID 1 "GND_L02_P034" (solid, remove dead copper, pour order 34): 238.887,90.551 238.887,86.106 248.539,86.106 248.539,90.551

## Keep-outs
Keep-Out Layer:
  lines w0.254: 255.312,71.543 cw(c253.289,71.543) 253.289,69.52 171.348,69.52 cw(c171.348,71.543) 169.325,71.543 169.325,117.475 cw(c171.348,117.475) 171.348,119.498 253.298,119.498 cw(c253.298,117.475) 255.321,117.475 255.321,71.552

## Silkscreen, mask and mechanical layers (free items; w line width, h text height)
Top Overlay:
  drawing of 1621 lines, arcs and shapes, not listed
  text "DESIGN PROJECT 20212 / @Ven" at 179.476,82.753 h0.75
Bottom Overlay:
  lines w0.254: 204.343,88.777 204.343,85.987 ; 204.343,85.987 204.343,99.437 217.793,99.437 217.793,85.987 204.343,85.987